# KiCad board solderCurved.kicad_pcb (continued)
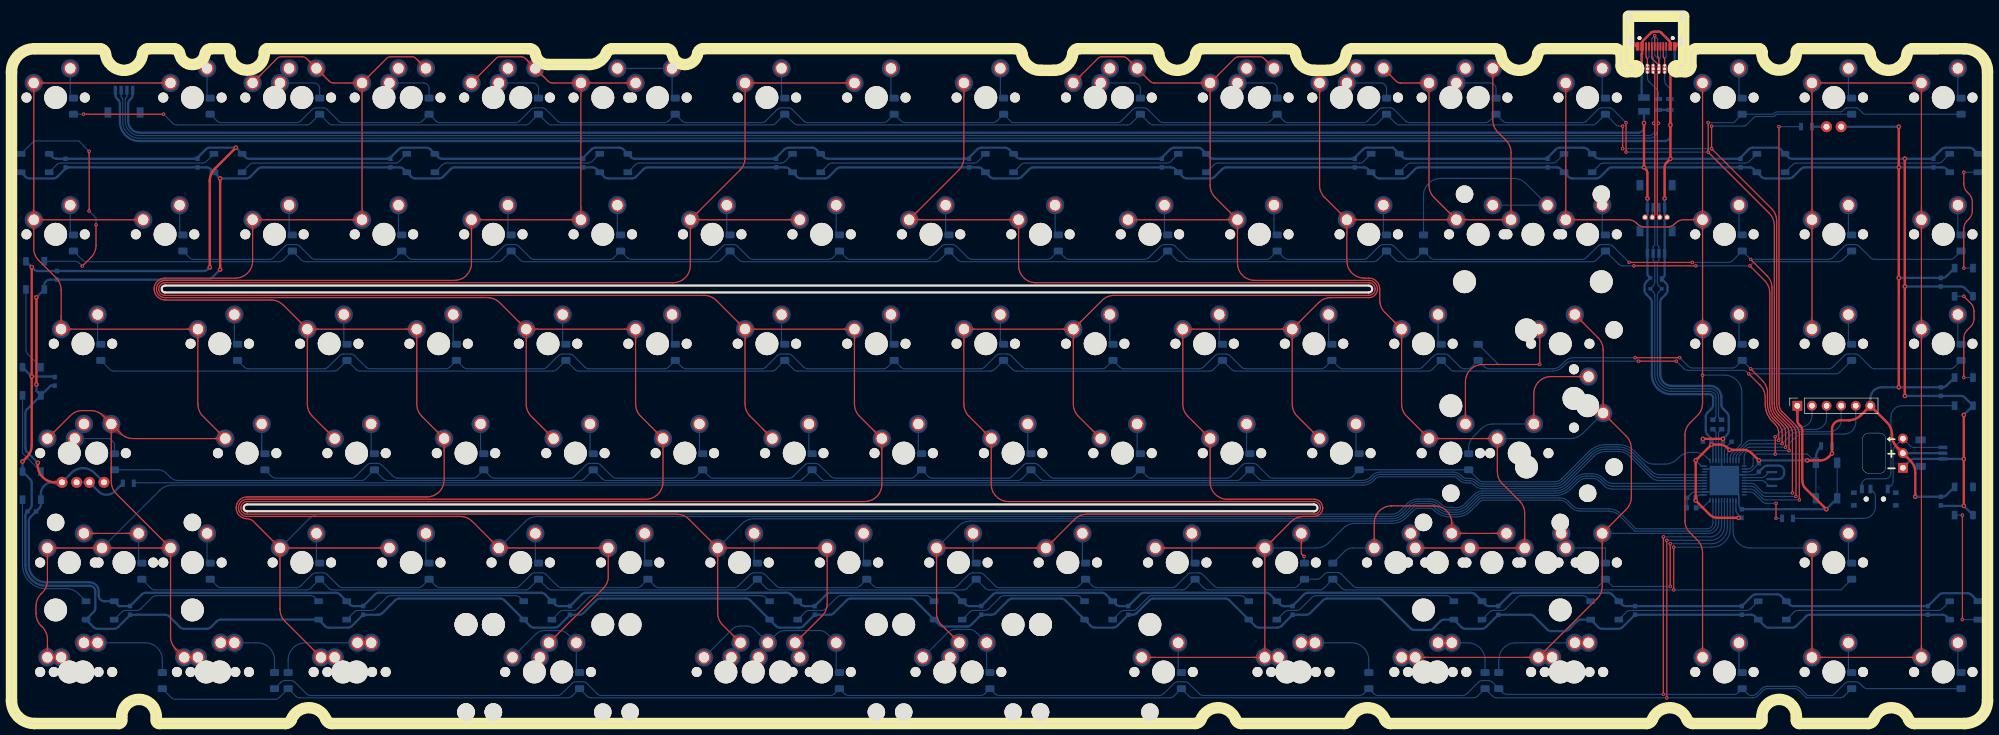
[diagram p0: board, top side]
## Copper pours and planes (outline as drawn; the poured copper is in the pictures) (continued)
Net-(D30-Pad2) on Bottom: 105.58,87.86 105.58,87.97 105.58,88.06 105.59,88.15 105.61,88.23 105.62,88.31 105.64,88.38 105.66,88.45 105.68,88.51 105.71,88.57 105.74,88.63 105.77,88.68 105.8,88.73 105.84,88.78 105.87,88.83 106.25,89.26 106.3,89.31 106.34,89.37 106.39,89.44 106.43,89.5 106.47,89.57 106.52,89.65 106.56,89.73 105.48,90.85 104.4,89.73 104.44,89.65 104.48,89.57 104.52,89.5 104.57,89.44 104.61,89.37 104.66,89.31 104.7,89.26 105.08,88.83 105.11,88.78 105.15,88.73 105.18,88.68 105.21,88.63 105.24,88.57 105.27,88.51 105.29,88.45 105.31,88.38 105.33,88.31 105.35,88.23 105.36,88.15 105.37,88.06 105.37,87.97 105.38,87.86
Net-(D30-Pad2) on Bottom: 105.58,87.06 105.58,87.2 105.59,87.33 105.6,87.45 105.62,87.56 105.64,87.66 105.66,87.76 105.69,87.85 105.73,87.93 105.76,88.01 105.8,88.09 105.84,88.16 105.89,88.23 105.94,88.29 105.99,88.35 106.04,88.41 106.09,88.48 106.38,88.78 106.44,88.85 106.51,88.92 106.57,89 106.63,89.08 106.69,89.16 106.75,89.25 106.8,89.34 106.86,89.45 106.92,89.56 105.48,91.05 104.04,89.56 104.09,89.45 104.15,89.34 104.21,89.25 104.27,89.16 104.33,89.08 104.39,89 104.45,88.92 104.51,88.85 104.57,88.78 104.86,88.48 104.91,88.41 104.97,88.35 105.02,88.29 105.06,88.23 105.11,88.16 105.15,88.09 105.19,88.01 105.23,87.93 105.26,87.85 105.29,87.76 105.32,87.66 105.34,87.56 105.35,87.45 105.37,87.33 105.37,87.2 105.38,87.06
Net-(D31-Pad2) on Bottom: 115.1,68.81 115.1,68.92 115.11,69.01 115.12,69.1 115.13,69.18 115.15,69.26 115.16,69.33 115.19,69.4 115.21,69.46 115.24,69.52 115.26,69.58 115.3,69.63 115.33,69.68 115.36,69.73 115.4,69.78 115.78,70.21 115.82,70.26 115.87,70.32 115.91,70.39 115.95,70.45 116,70.52 116.04,70.6 116.08,70.68 115,71.8 113.92,70.68 113.96,70.6 114.01,70.52 114.05,70.45 114.09,70.39 114.14,70.32 114.18,70.26 114.23,70.21 114.6,69.78 114.64,69.73 114.67,69.68 114.71,69.63 114.74,69.58 114.77,69.52 114.79,69.46 114.82,69.4 114.84,69.33 114.86,69.26 114.87,69.18 114.89,69.1 114.89,69.01 114.9,68.92 114.9,68.81
Net-(D31-Pad2) on Bottom: 115.1,68.01 115.1,68.15 115.11,68.28 115.12,68.4 115.14,68.51 115.16,68.61 115.19,68.71 115.22,68.8 115.25,68.88 115.29,68.96 115.33,69.04 115.37,69.11 115.41,69.18 115.46,69.24 115.51,69.3 115.56,69.36 115.62,69.43 115.91,69.73 115.97,69.8 116.03,69.87 116.09,69.95 116.15,70.03 116.21,70.11 116.27,70.2 116.33,70.29 116.39,70.4 116.44,70.51 115,72 113.56,70.51 113.62,70.4 113.67,70.29 113.73,70.2 113.79,70.11 113.85,70.03 113.91,69.95 113.97,69.87 114.03,69.8 114.09,69.73 114.38,69.43 114.44,69.36 114.49,69.3 114.54,69.24 114.59,69.18 114.63,69.11 114.68,69.04 114.72,68.96 114.75,68.88 114.79,68.8 114.82,68.71 114.84,68.61 114.86,68.51 114.88,68.4 114.89,68.28 114.9,68.15 114.9,68.01
Net-(D32-Pad2) on Bottom: 119.86,48.96 119.87,49.1 119.87,49.23 119.89,49.35 119.9,49.46 119.93,49.56 119.95,49.66 119.98,49.75 120.01,49.83 120.05,49.91 120.09,49.99 120.13,50.06 120.18,50.13 120.22,50.19 120.28,50.25 120.33,50.31 120.38,50.38 120.67,50.68 120.73,50.75 120.79,50.82 120.85,50.9 120.91,50.98 120.97,51.06 121.03,51.15 121.09,51.24 121.15,51.35 121.2,51.46 119.76,52.95 118.32,51.46 118.38,51.35 118.44,51.24 118.5,51.15 118.55,51.06 118.61,50.98 118.67,50.9 118.74,50.82 118.8,50.75 118.86,50.68 119.15,50.38 119.2,50.31 119.25,50.25 119.3,50.19 119.35,50.13 119.4,50.06 119.44,49.99 119.48,49.91 119.52,49.83 119.55,49.75 119.58,49.66 119.6,49.56 119.62,49.46 119.64,49.35 119.65,49.23 119.66,49.1 119.66,48.96
Net-(D32-Pad2) on Bottom: 119.86,49.76 119.87,49.87 119.87,49.96 119.88,50.05 119.89,50.13 119.91,50.21 119.93,50.28 119.95,50.35 119.97,50.41 120,50.47 120.03,50.53 120.06,50.58 120.09,50.63 120.13,50.68 120.16,50.73 120.54,51.16 120.58,51.21 120.63,51.27 120.67,51.34 120.72,51.4 120.76,51.47 120.8,51.55 120.84,51.63 119.76,52.75 118.68,51.63 118.73,51.55 118.77,51.47 118.81,51.4 118.85,51.34 118.9,51.27 118.94,51.21 118.99,51.16 119.37,50.73 119.4,50.68 119.44,50.63 119.47,50.58 119.5,50.53 119.53,50.47 119.56,50.41 119.58,50.35 119.6,50.28 119.62,50.21 119.64,50.13 119.65,50.05 119.66,49.96 119.66,49.87 119.66,49.76
Net-(D33-Pad2) on Bottom: 110.34,30.71 110.34,30.82 110.35,30.91 110.36,31 110.37,31.08 110.38,31.16 110.4,31.23 110.42,31.3 110.45,31.36 110.47,31.42 110.5,31.48 110.53,31.53 110.57,31.58 110.6,31.63 110.64,31.68 111.02,32.11 111.06,32.16 111.1,32.22 111.15,32.29 111.19,32.35 111.24,32.42 111.28,32.5 111.32,32.58 110.24,33.7 109.16,32.58 109.2,32.5 109.24,32.42 109.29,32.35 109.33,32.29 109.37,32.22 109.42,32.16 109.46,32.11 109.84,31.68 109.88,31.63 109.91,31.58 109.94,31.53 109.98,31.48 110,31.42 110.03,31.36 110.06,31.3 110.08,31.23 110.09,31.16 110.11,31.08 110.12,31 110.13,30.91 110.14,30.82 110.14,30.71
Net-(D33-Pad2) on Bottom: 110.34,29.91 110.34,30.05 110.35,30.18 110.36,30.3 110.38,30.41 110.4,30.51 110.43,30.61 110.45,30.7 110.49,30.78 110.52,30.86 110.56,30.94 110.61,31.01 110.65,31.08 110.7,31.14 110.75,31.2 110.8,31.26 110.86,31.33 111.15,31.63 111.21,31.7 111.27,31.77 111.33,31.85 111.39,31.93 111.45,32.01 111.51,32.1 111.57,32.19 111.62,32.3 111.68,32.41 110.24,33.9 108.8,32.41 108.85,32.3 108.91,32.19 108.97,32.1 109.03,32.01 109.09,31.93 109.15,31.85 109.21,31.77 109.27,31.7 109.33,31.63 109.62,31.33 109.68,31.26 109.73,31.2 109.78,31.14 109.83,31.08 109.87,31.01 109.91,30.94 109.95,30.86 109.99,30.78 110.02,30.7 110.05,30.61 110.08,30.51 110.1,30.41 110.12,30.3 110.13,30.18 110.14,30.05 110.14,29.91
Net-(D34-Pad2) on Bottom: 134.15,110.88 134.15,111.01 134.16,111.14 134.17,111.26 134.19,111.37 134.21,111.47 134.24,111.57 134.27,111.66 134.3,111.74 134.34,111.82 134.38,111.9 134.42,111.97 134.46,112.04 134.51,112.1 134.56,112.17 134.61,112.23 134.67,112.29 134.96,112.6 135.02,112.66 135.08,112.73 135.14,112.81 135.2,112.89 135.26,112.97 135.32,113.06 135.38,113.16 135.44,113.26 135.49,113.37 134.05,114.87 132.61,113.37 132.67,113.26 132.72,113.16 132.78,113.06 132.84,112.97 132.9,112.89 132.96,112.81 133.02,112.73 133.08,112.66 133.14,112.6 133.43,112.29 133.49,112.23 133.54,112.17 133.59,112.1 133.64,112.04 133.68,111.97 133.73,111.9 133.77,111.82 133.8,111.74 133.84,111.66 133.87,111.57 133.89,111.47 133.91,111.37 133.93,111.26 133.94,111.14 133.95,111.01 133.95,110.88
Net-(D34-Pad2) on Bottom: 134.15,111.68 134.15,111.78 134.16,111.87 134.17,111.96 134.18,112.05 134.2,112.12 134.21,112.19 134.24,112.26 134.26,112.33 134.29,112.39 134.31,112.44 134.35,112.5 134.38,112.55 134.41,112.6 134.45,112.64 134.83,113.07 134.87,113.13 134.92,113.19 134.96,113.25 135,113.31 135.05,113.39 135.09,113.46 135.13,113.54 134.05,114.67 132.97,113.54 133.01,113.46 133.06,113.39 133.1,113.31 133.14,113.25 133.19,113.19 133.23,113.13 133.28,113.07 133.65,112.64 133.69,112.6 133.72,112.55 133.76,112.5 133.79,112.44 133.82,112.39 133.84,112.33 133.87,112.26 133.89,112.19 133.91,112.12 133.92,112.05 133.94,111.96 133.94,111.87 133.95,111.78 133.95,111.68
Net-(D35-Pad2) on Bottom: 124.63,87.06 124.63,87.2 124.64,87.33 124.65,87.45 124.67,87.56 124.69,87.66 124.71,87.76 124.74,87.85 124.78,87.93 124.81,88.01 124.85,88.09 124.89,88.16 124.94,88.23 124.99,88.29 125.04,88.35 125.09,88.41 125.14,88.48 125.43,88.78 125.49,88.85 125.56,88.92 125.62,89 125.68,89.08 125.74,89.16 125.8,89.25 125.85,89.34 125.91,89.45 125.97,89.56 124.53,91.05 123.09,89.56 123.14,89.45 123.2,89.34 123.26,89.25 123.32,89.16 123.38,89.08 123.44,89 123.5,88.92 123.56,88.85 123.62,88.78 123.91,88.48 123.96,88.41 124.02,88.35 124.07,88.29 124.11,88.23 124.16,88.16 124.2,88.09 124.24,88.01 124.28,87.93 124.31,87.85 124.34,87.76 124.37,87.66 124.39,87.56 124.4,87.45 124.42,87.33 124.42,87.2 124.43,87.06
Net-(D35-Pad2) on Bottom: 124.63,87.86 124.63,87.97 124.63,88.06 124.64,88.15 124.66,88.23 124.67,88.31 124.69,88.38 124.71,88.45 124.73,88.51 124.76,88.57 124.79,88.63 124.82,88.68 124.85,88.73 124.89,88.78 124.92,88.83 125.3,89.26 125.35,89.31 125.39,89.37 125.44,89.44 125.48,89.5 125.52,89.57 125.57,89.65 125.61,89.73 124.53,90.85 123.45,89.73 123.49,89.65 123.53,89.57 123.57,89.5 123.62,89.44 123.66,89.37 123.71,89.31 123.75,89.26 124.13,88.83 124.16,88.78 124.2,88.73 124.23,88.68 124.26,88.63 124.29,88.57 124.32,88.51 124.34,88.45 124.36,88.38 124.38,88.31 124.4,88.23 124.41,88.15 124.42,88.06 124.42,87.97 124.43,87.86
Net-(D36-Pad2) on Bottom: 134.15,68.01 134.15,68.15 134.16,68.28 134.17,68.4 134.19,68.51 134.21,68.61 134.24,68.71 134.27,68.8 134.3,68.88 134.34,68.96 134.38,69.04 134.42,69.11 134.46,69.18 134.51,69.24 134.56,69.3 134.61,69.36 134.67,69.43 134.96,69.73 135.02,69.8 135.08,69.87 135.14,69.95 135.2,70.03 135.26,70.11 135.32,70.2 135.38,70.29 135.44,70.4 135.49,70.51 134.05,72 132.61,70.51 132.67,70.4 132.72,70.29 132.78,70.2 132.84,70.11 132.9,70.03 132.96,69.95 133.02,69.87 133.08,69.8 133.14,69.73 133.43,69.43 133.49,69.36 133.54,69.3 133.59,69.24 133.64,69.18 133.68,69.11 133.73,69.04 133.77,68.96 133.8,68.88 133.84,68.8 133.87,68.71 133.89,68.61 133.91,68.51 133.93,68.4 133.94,68.28 133.95,68.15 133.95,68.01
Net-(D36-Pad2) on Bottom: 134.15,68.81 134.15,68.92 134.16,69.01 134.17,69.1 134.18,69.18 134.2,69.26 134.21,69.33 134.24,69.4 134.26,69.46 134.29,69.52 134.31,69.58 134.35,69.63 134.38,69.68 134.41,69.73 134.45,69.78 134.83,70.21 134.87,70.26 134.92,70.32 134.96,70.39 135,70.45 135.05,70.52 135.09,70.6 135.13,70.68 134.05,71.8 132.97,70.68 133.01,70.6 133.06,70.52 133.1,70.45 133.14,70.39 133.19,70.32 133.23,70.26 133.28,70.21 133.65,69.78 133.69,69.73 133.72,69.68 133.76,69.63 133.79,69.58 133.82,69.52 133.84,69.46 133.87,69.4 133.89,69.33 133.91,69.26 133.92,69.18 133.94,69.1 133.94,69.01 133.95,68.92 133.95,68.81
Net-(D37-Pad2) on Bottom: 138.91,49.76 138.92,49.87 138.92,49.96 138.93,50.05 138.94,50.13 138.96,50.21 138.98,50.28 139,50.35 139.02,50.41 139.05,50.47 139.08,50.53 139.11,50.58 139.14,50.63 139.18,50.68 139.21,50.73 139.59,51.16 139.63,51.21 139.68,51.27 139.72,51.34 139.77,51.4 139.81,51.47 139.85,51.55 139.89,51.63 138.81,52.75 137.73,51.63 137.78,51.55 137.82,51.47 137.86,51.4 137.9,51.34 137.95,51.27 137.99,51.21 138.04,51.16 138.42,50.73 138.45,50.68 138.49,50.63 138.52,50.58 138.55,50.53 138.58,50.47 138.61,50.41 138.63,50.35 138.65,50.28 138.67,50.21 138.69,50.13 138.7,50.05 138.71,49.96 138.71,49.87 138.71,49.76
Net-(D37-Pad2) on Bottom: 138.91,48.96 138.92,49.1 138.92,49.23 138.94,49.35 138.95,49.46 138.98,49.56 139,49.66 139.03,49.75 139.06,49.83 139.1,49.91 139.14,49.99 139.18,50.06 139.23,50.13 139.27,50.19 139.33,50.25 139.38,50.31 139.43,50.38 139.72,50.68 139.78,50.75 139.84,50.82 139.9,50.9 139.96,50.98 140.02,51.06 140.08,51.15 140.14,51.24 140.2,51.35 140.25,51.46 138.81,52.95 137.37,51.46 137.43,51.35 137.49,51.24 137.55,51.15 137.6,51.06 137.66,50.98 137.72,50.9 137.79,50.82 137.85,50.75 137.91,50.68 138.2,50.38 138.25,50.31 138.3,50.25 138.35,50.19 138.4,50.13 138.45,50.06 138.49,49.99 138.53,49.91 138.57,49.83 138.6,49.75 138.63,49.66 138.65,49.56 138.67,49.46 138.69,49.35 138.7,49.23 138.71,49.1 138.71,48.96
Net-(D38-Pad2) on Bottom: 129.39,29.91 129.39,30.05 129.4,30.18 129.41,30.3 129.43,30.41 129.45,30.51 129.48,30.61 129.5,30.7 129.54,30.78 129.57,30.86 129.61,30.94 129.66,31.01 129.7,31.08 129.75,31.14 129.8,31.2 129.85,31.26 129.91,31.33 130.2,31.63 130.26,31.7 130.32,31.77 130.38,31.85 130.44,31.93 130.5,32.01 130.56,32.1 130.62,32.19 130.67,32.3 130.73,32.41 129.29,33.9 127.85,32.41 127.9,32.3 127.96,32.19 128.02,32.1 128.08,32.01 128.14,31.93 128.2,31.85 128.26,31.77 128.32,31.7 128.38,31.63 128.67,31.33 128.73,31.26 128.78,31.2 128.83,31.14 128.88,31.08 128.92,31.01 128.96,30.94 129,30.86 129.04,30.78 129.07,30.7 129.1,30.61 129.13,30.51 129.15,30.41 129.17,30.3 129.18,30.18 129.19,30.05 129.19,29.91
Net-(D38-Pad2) on Bottom: 129.39,30.71 129.39,30.82 129.4,30.91 129.41,31 129.42,31.08 129.43,31.16 129.45,31.23 129.47,31.3 129.5,31.36 129.52,31.42 129.55,31.48 129.58,31.53 129.62,31.58 129.65,31.63 129.69,31.68 130.07,32.11 130.11,32.16 130.15,32.22 130.2,32.29 130.24,32.35 130.29,32.42 130.33,32.5 130.37,32.58 129.29,33.7 128.21,32.58 128.25,32.5 128.29,32.42 128.34,32.35 128.38,32.29 128.42,32.22 128.47,32.16 128.51,32.11 128.89,31.68 128.93,31.63 128.96,31.58 128.99,31.53 129.03,31.48 129.05,31.42 129.08,31.36 129.11,31.3 129.13,31.23 129.14,31.16 129.16,31.08 129.17,31 129.18,30.91 129.19,30.82 129.19,30.71
Net-(D39-Pad2) on Bottom: 153.2,110.88 153.2,111.01 153.21,111.14 153.22,111.26 153.24,111.37 153.26,111.47 153.29,111.57 153.32,111.66 153.35,111.74 153.39,111.82 153.43,111.9 153.47,111.97 153.51,112.04 153.56,112.1 153.61,112.17 153.66,112.23 153.72,112.29 154.01,112.6 154.07,112.66 154.13,112.73 154.19,112.81 154.25,112.89 154.31,112.97 154.37,113.06 154.43,113.16 154.49,113.26 154.54,113.37 153.1,114.87 151.66,113.37 151.72,113.26 151.77,113.16 151.83,113.06 151.89,112.97 151.95,112.89 152.01,112.81 152.07,112.73 152.13,112.66 152.19,112.6 152.48,112.29 152.54,112.23 152.59,112.17 152.64,112.1 152.69,112.04 152.73,111.97 152.78,111.9 152.82,111.82 152.85,111.74 152.89,111.66 152.92,111.57 152.94,111.47 152.96,111.37 152.98,111.26 152.99,111.14 153,111.01 153,110.88
Net-(D39-Pad2) on Bottom: 153.2,111.68 153.2,111.78 153.21,111.87 153.22,111.96 153.23,112.05 153.25,112.12 153.26,112.19 153.29,112.26 153.31,112.33 153.34,112.39 153.36,112.44 153.4,112.5 153.43,112.55 153.46,112.6 153.5,112.64 153.88,113.07 153.92,113.13 153.97,113.19 154.01,113.25 154.05,113.31 154.1,113.39 154.14,113.46 154.18,113.54 153.1,114.67 152.02,113.54 152.06,113.46 152.11,113.39 152.15,113.31 152.19,113.25 152.24,113.19 152.28,113.13 152.33,113.07 152.7,112.64 152.74,112.6 152.77,112.55 152.81,112.5 152.84,112.44 152.87,112.39 152.89,112.33 152.92,112.26 152.94,112.19 152.96,112.12 152.97,112.05 152.99,111.96 152.99,111.87 153,111.78 153,111.68
Net-(D40-Pad2) on Bottom: 143.68,87.86 143.68,87.97 143.68,88.06 143.69,88.15 143.71,88.23 143.72,88.31 143.74,88.38 143.76,88.45 143.78,88.51 143.81,88.57 143.84,88.63 143.87,88.68 143.9,88.73 143.94,88.78 143.97,88.83 144.35,89.26 144.4,89.31 144.44,89.37 144.49,89.44 144.53,89.5 144.57,89.57 144.62,89.65 144.66,89.73 143.58,90.85 142.5,89.73 142.54,89.65 142.58,89.57 142.62,89.5 142.67,89.44 142.71,89.37 142.76,89.31 142.8,89.26 143.18,88.83 143.21,88.78 143.25,88.73 143.28,88.68 143.31,88.63 143.34,88.57 143.37,88.51 143.39,88.45 143.41,88.38 143.43,88.31 143.45,88.23 143.46,88.15 143.47,88.06 143.47,87.97 143.48,87.86
Net-(D40-Pad2) on Bottom: 143.68,87.06 143.68,87.2 143.69,87.33 143.7,87.45 143.72,87.56 143.74,87.66 143.76,87.76 143.79,87.85 143.83,87.93 143.86,88.01 143.9,88.09 143.94,88.16 143.99,88.23 144.04,88.29 144.09,88.35 144.14,88.41 144.19,88.48 144.48,88.78 144.54,88.85 144.61,88.92 144.67,89 144.73,89.08 144.79,89.16 144.85,89.25 144.9,89.34 144.96,89.45 145.02,89.56 143.58,91.05 142.14,89.56 142.19,89.45 142.25,89.34 142.31,89.25 142.37,89.16 142.43,89.08 142.49,89 142.55,88.92 142.61,88.85 142.67,88.78 142.96,88.48 143.01,88.41 143.07,88.35 143.12,88.29 143.16,88.23 143.21,88.16 143.25,88.09 143.29,88.01 143.33,87.93 143.36,87.85 143.39,87.76 143.42,87.66 143.44,87.56 143.45,87.45 143.47,87.33 143.47,87.2 143.48,87.06
Net-(D41-Pad2) on Bottom: 153.2,68.01 153.2,68.15 153.21,68.28 153.22,68.4 153.24,68.51 153.26,68.61 153.29,68.71 153.32,68.8 153.35,68.88 153.39,68.96 153.43,69.04 153.47,69.11 153.51,69.18 153.56,69.24 153.61,69.3 153.66,69.36 153.72,69.43 154.01,69.73 154.07,69.8 154.13,69.87 154.19,69.95 154.25,70.03 154.31,70.11 154.37,70.2 154.43,70.29 154.49,70.4 154.54,70.51 153.1,72 151.66,70.51 151.72,70.4 151.77,70.29 151.83,70.2 151.89,70.11 151.95,70.03 152.01,69.95 152.07,69.87 152.13,69.8 152.19,69.73 152.48,69.43 152.54,69.36 152.59,69.3 152.64,69.24 152.69,69.18 152.73,69.11 152.78,69.04 152.82,68.96 152.85,68.88 152.89,68.8 152.92,68.71 152.94,68.61 152.96,68.51 152.98,68.4 152.99,68.28 153,68.15 153,68.01
Net-(D41-Pad2) on Bottom: 153.2,68.81 153.2,68.92 153.21,69.01 153.22,69.1 153.23,69.18 153.25,69.26 153.26,69.33 153.29,69.4 153.31,69.46 153.34,69.52 153.36,69.58 153.4,69.63 153.43,69.68 153.46,69.73 153.5,69.78 153.88,70.21 153.92,70.26 153.97,70.32 154.01,70.39 154.05,70.45 154.1,70.52 154.14,70.6 154.18,70.68 153.1,71.8 152.02,70.68 152.06,70.6 152.11,70.52 152.15,70.45 152.19,70.39 152.24,70.32 152.28,70.26 152.33,70.21 152.7,69.78 152.74,69.73 152.77,69.68 152.81,69.63 152.84,69.58 152.87,69.52 152.89,69.46 152.92,69.4 152.94,69.33 152.96,69.26 152.97,69.18 152.99,69.1 152.99,69.01 153,68.92 153,68.81
Net-(D42-Pad2) on Bottom: 157.96,49.76 157.97,49.87 157.97,49.96 157.98,50.05 157.99,50.13 158.01,50.21 158.03,50.28 158.05,50.35 158.07,50.41 158.1,50.47 158.13,50.53 158.16,50.58 158.19,50.63 158.23,50.68 158.26,50.73 158.64,51.16 158.68,51.21 158.73,51.27 158.77,51.34 158.82,51.4 158.86,51.47 158.9,51.55 158.94,51.63 157.86,52.75 156.78,51.63 156.83,51.55 156.87,51.47 156.91,51.4 156.95,51.34 157,51.27 157.04,51.21 157.09,51.16 157.47,50.73 157.5,50.68 157.54,50.63 157.57,50.58 157.6,50.53 157.63,50.47 157.66,50.41 157.68,50.35 157.7,50.28 157.72,50.21 157.74,50.13 157.75,50.05 157.76,49.96 157.76,49.87 157.76,49.76
Net-(D42-Pad2) on Bottom: 157.96,48.96 157.97,49.1 157.97,49.23 157.99,49.35 158,49.46 158.03,49.56 158.05,49.66 158.08,49.75 158.11,49.83 158.15,49.91 158.19,49.99 158.23,50.06 158.28,50.13 158.32,50.19 158.38,50.25 158.43,50.31 158.48,50.38 158.77,50.68 158.83,50.75 158.89,50.82 158.95,50.9 159.01,50.98 159.07,51.06 159.13,51.15 159.19,51.24 159.25,51.35 159.3,51.46 157.86,52.95 156.42,51.46 156.48,51.35 156.54,51.24 156.6,51.15 156.65,51.06 156.71,50.98 156.77,50.9 156.84,50.82 156.9,50.75 156.96,50.68 157.25,50.38 157.3,50.31 157.35,50.25 157.4,50.19 157.45,50.13 157.5,50.06 157.54,49.99 157.58,49.91 157.62,49.83 157.65,49.75 157.68,49.66 157.7,49.56 157.72,49.46 157.74,49.35 157.75,49.23 157.76,49.1 157.76,48.96
Net-(D43-Pad2) on Bottom: 148.44,29.91 148.44,30.05 148.45,30.18 148.46,30.3 148.48,30.41 148.5,30.51 148.53,30.61 148.55,30.7 148.59,30.78 148.62,30.86 148.66,30.94 148.71,31.01 148.75,31.08 148.8,31.14 148.85,31.2 148.9,31.26 148.96,31.33 149.25,31.63 149.31,31.7 149.37,31.77 149.43,31.85 149.49,31.93 149.55,32.01 149.61,32.1 149.67,32.19 149.72,32.3 149.78,32.41 148.34,33.9 146.9,32.41 146.95,32.3 147.01,32.19 147.07,32.1 147.13,32.01 147.19,31.93 147.25,31.85 147.31,31.77 147.37,31.7 147.43,31.63 147.72,31.33 147.78,31.26 147.83,31.2 147.88,31.14 147.93,31.08 147.97,31.01 148.01,30.94 148.05,30.86 148.09,30.78 148.12,30.7 148.15,30.61 148.18,30.51 148.2,30.41 148.22,30.3 148.23,30.18 148.24,30.05 148.24,29.91
Net-(D43-Pad2) on Bottom: 148.44,30.71 148.44,30.82 148.45,30.91 148.46,31 148.47,31.08 148.48,31.16 148.5,31.23 148.52,31.3 148.55,31.36 148.57,31.42 148.6,31.48 148.63,31.53 148.67,31.58 148.7,31.63 148.74,31.68 149.12,32.11 149.16,32.16 149.2,32.22 149.25,32.29 149.29,32.35 149.34,32.42 149.38,32.5 149.42,32.58 148.34,33.7 147.26,32.58 147.3,32.5 147.34,32.42 147.39,32.35 147.43,32.29 147.47,32.22 147.52,32.16 147.56,32.11 147.94,31.68 147.98,31.63 148.01,31.58 148.04,31.53 148.08,31.48 148.1,31.42 148.13,31.36 148.16,31.3 148.18,31.23 148.19,31.16 148.21,31.08 148.22,31 148.23,30.91 148.24,30.82 148.24,30.71
Net-(D44-Pad2) on Bottom: 140.58,16.09 140.73,16.09 140.86,16.08 140.97,16.06 141.08,16.03 141.18,15.99 141.26,15.95 141.34,15.9 141.41,15.85 141.47,15.78 141.53,15.71 141.58,15.64 141.62,15.56 141.66,15.47 141.69,15.38 141.72,15.29 141.74,15.19 141.76,15.08 141.78,14.98 141.8,14.87 141.87,14.4 141.89,14.28 141.91,14.15 141.93,14.03 141.96,13.9 141.99,13.78 142.02,13.65 142.07,13.53 144.14,13.49 143.55,15.65 143.42,15.65 143.3,15.66 143.18,15.67 143.07,15.68 142.97,15.7 142.87,15.71 142.78,15.74 142.69,15.76 142.6,15.79 142.52,15.82 142.44,15.84 142.36,15.88 141.97,16.04 141.89,16.07 141.81,16.1 141.73,16.13 141.64,16.16 141.54,16.18 141.45,16.21 141.34,16.23 141.24,16.25 141.12,16.26 141,16.28 140.87,16.29 140.73,16.29 140.58,16.29
Net-(D44-Pad2) on Bottom: 143.68,11.66 143.68,11.77 143.68,11.86 143.69,11.95 143.71,12.03 143.72,12.11 143.74,12.18 143.76,12.25 143.78,12.31 143.81,12.37 143.84,12.43 143.87,12.48 143.9,12.53 143.94,12.58 143.97,12.63 144.35,13.06 144.4,13.11 144.44,13.17 144.49,13.24 144.53,13.3 144.57,13.37 144.62,13.45 144.66,13.53 143.58,14.65 142.5,13.53 142.54,13.45 142.58,13.37 142.62,13.3 142.67,13.24 142.71,13.17 142.76,13.11 142.8,13.06 143.18,12.63 143.21,12.58 143.25,12.53 143.28,12.48 143.31,12.43 143.34,12.37 143.37,12.31 143.39,12.25 143.41,12.18 143.43,12.11 143.45,12.03 143.46,11.95 143.47,11.86 143.47,11.77 143.48,11.66
Net-(D44-Pad2) on Bottom: 129.34,16.24 129.44,16.14 129.52,16.05 129.6,15.95 129.66,15.86 129.72,15.77 129.77,15.69 129.82,15.6 129.85,15.52 129.88,15.44 129.91,15.36 129.93,15.28 129.94,15.2 129.96,15.12 129.96,15.04 129.97,14.96 129.98,14.88 129.99,14.45 129.99,14.36 130,14.27 130.01,14.17 130.02,14.08 130.04,13.97 130.06,13.87 130.09,13.76 130.12,13.65 130.16,13.53 132.24,13.49 132.2,15.57 132.08,15.6 131.97,15.64 131.86,15.66 131.75,15.68 131.65,15.7 131.55,15.71 131.46,15.72 131.36,15.73 131.27,15.74 130.85,15.75 130.77,15.75 130.69,15.76 130.61,15.77 130.53,15.78 130.45,15.8 130.37,15.82 130.29,15.84 130.2,15.87 130.12,15.91 130.04,15.95 129.95,16 129.86,16.06 129.77,16.13 129.68,16.2 129.58,16.29 129.49,16.38
Net-(D44-Pad2) on Bottom: 122.74,13.84 122.64,13.75 122.55,13.66 122.46,13.59 122.37,13.52 122.28,13.46 122.19,13.41 122.11,13.37 122.02,13.33 121.94,13.3 121.86,13.28 121.78,13.26 121.7,13.24 121.62,13.23 121.54,13.22 121.46,13.21 121.38,13.21 120.96,13.2 120.87,13.19 120.77,13.18 120.68,13.17 120.58,13.16 120.48,13.14 120.37,13.12 120.26,13.1 120.15,13.06 120.03,13.03 119.99,10.95 122.07,10.99 122.11,11.11 122.14,11.22 122.17,11.33 122.19,11.43 122.2,11.54 122.22,11.63 122.23,11.73 122.23,11.82 122.24,11.91 122.25,12.34 122.26,12.42 122.26,12.5 122.27,12.58 122.28,12.66 122.3,12.74 122.32,12.82 122.35,12.9 122.38,12.98 122.41,13.06 122.46,13.15 122.51,13.23 122.56,13.32 122.63,13.41 122.7,13.51 122.79,13.6 122.88,13.7
Net-(D44-Pad2) on Bottom: 134.67,16.29 134.52,16.29 134.38,16.29 134.25,16.28 134.13,16.26 134.01,16.25 133.9,16.23 133.8,16.21 133.7,16.18 133.61,16.16 133.52,16.13 133.44,16.1 133.35,16.07 133.27,16.04 132.89,15.88 132.81,15.84 132.73,15.82 132.65,15.79 132.56,15.76 132.47,15.74 132.38,15.71 132.28,15.7 132.18,15.68 132.07,15.67 131.95,15.66 131.83,15.65 131.69,15.65 131.1,13.49 133.18,13.53 133.22,13.65 133.26,13.78 133.29,13.9 133.32,14.03 133.34,14.15 133.36,14.28 133.38,14.4 133.45,14.87 133.46,14.98 133.48,15.08 133.51,15.19 133.53,15.29 133.56,15.38 133.59,15.47 133.63,15.56 133.67,15.64 133.72,15.71 133.77,15.78 133.83,15.85 133.9,15.9 133.98,15.95 134.07,15.99 134.17,16.03 134.27,16.06 134.39,16.08 134.52,16.09 134.66,16.09
Net-(D44-Pad2) on Bottom: 143.68,10.86 143.68,11 143.69,11.13 143.7,11.25 143.72,11.36 143.74,11.46 143.76,11.56 143.79,11.65 143.83,11.73 143.86,11.81 143.9,11.89 143.94,11.96 143.99,12.03 144.04,12.09 144.09,12.15 144.14,12.21 144.19,12.28 144.48,12.58 144.54,12.65 144.61,12.72 144.67,12.8 144.73,12.88 144.79,12.96 144.85,13.05 144.9,13.14 144.96,13.25 145.02,13.36 143.58,14.85 142.14,13.36 142.19,13.25 142.25,13.14 142.31,13.05 142.37,12.96 142.43,12.88 142.49,12.8 142.55,12.72 142.61,12.65 142.67,12.58 142.96,12.28 143.01,12.21 143.07,12.15 143.12,12.09 143.16,12.03 143.21,11.96 143.25,11.89 143.29,11.81 143.33,11.73 143.36,11.65 143.39,11.56 143.42,11.46 143.44,11.36 143.45,11.25 143.47,11.13 143.47,11 143.48,10.86
Net-(D44-Pad2) on Bottom: 129.91,15.67 129.98,15.6 130.04,15.53 130.1,15.46 130.15,15.39 130.19,15.33 130.23,15.26 130.26,15.2 130.29,15.14 130.32,15.08 130.34,15.02 130.35,14.96 130.36,14.9 130.37,14.84 130.38,14.78 130.42,14.21 130.42,14.14 130.44,14.07 130.45,13.99 130.46,13.91 130.48,13.83 130.51,13.75 130.54,13.66 132.09,13.63 132.06,15.19 131.98,15.22 131.89,15.24 131.81,15.26 131.73,15.28 131.66,15.29 131.59,15.3 131.51,15.31 130.94,15.34 130.89,15.35 130.83,15.36 130.77,15.37 130.71,15.39 130.65,15.41 130.59,15.43 130.52,15.46 130.46,15.49 130.4,15.53 130.33,15.57 130.26,15.62 130.2,15.68 130.12,15.74 130.05,15.82
Net-(D44-Pad2) on Bottom: 140.96,16.06 141.1,16.03 141.22,16 141.33,15.96 141.43,15.92 141.52,15.87 141.61,15.82 141.68,15.77 141.75,15.71 141.82,15.65 141.87,15.58 141.92,15.52 141.96,15.44 142,15.37 142.04,15.29 142.07,15.21 142.1,15.12 142.12,15.03 142.14,14.94 142.16,14.85 142.18,14.75 142.26,14.34 142.29,14.23 142.31,14.12 142.34,14.01 142.37,13.89 142.4,13.78 142.44,13.66 144,13.63 143.8,15.23 143.67,15.26 143.55,15.29 143.44,15.31 143.34,15.34 143.24,15.38 143.15,15.41 143.06,15.44 142.97,15.48 142.89,15.51 142.82,15.55 142.74,15.58 142.24,15.85 142.17,15.88 142.09,15.92 142,15.96 141.92,16 141.82,16.03 141.73,16.07 141.62,16.1 141.52,16.13 141.4,16.17 141.27,16.2 141.14,16.23 141,16.25
Net-(D44-Pad2) on Bottom: 122.18,13.28 122.1,13.2 122.03,13.14 121.96,13.08 121.9,13.03 121.83,12.99 121.77,12.95 121.7,12.92 121.64,12.89 121.58,12.87 121.52,12.85 121.46,12.83 121.4,12.82 121.34,12.81 121.28,12.8 120.71,12.77 120.64,12.76 120.57,12.75 120.49,12.74 120.42,12.72 120.33,12.7 120.25,12.68 120.16,12.65 120.13,11.09 121.69,11.12 121.72,11.21 121.74,11.29 121.76,11.37 121.78,11.45 121.79,11.53 121.8,11.6 121.81,11.67 121.85,12.24 121.85,12.3 121.86,12.36 121.88,12.42 121.89,12.48 121.91,12.54 121.94,12.6 121.96,12.66 122,12.72 122.03,12.79 122.08,12.85 122.13,12.92 122.18,12.99 122.25,13.06 122.32,13.13